# Altium PCB DM3370.PcbDoc (part 6 of 9) (continued)
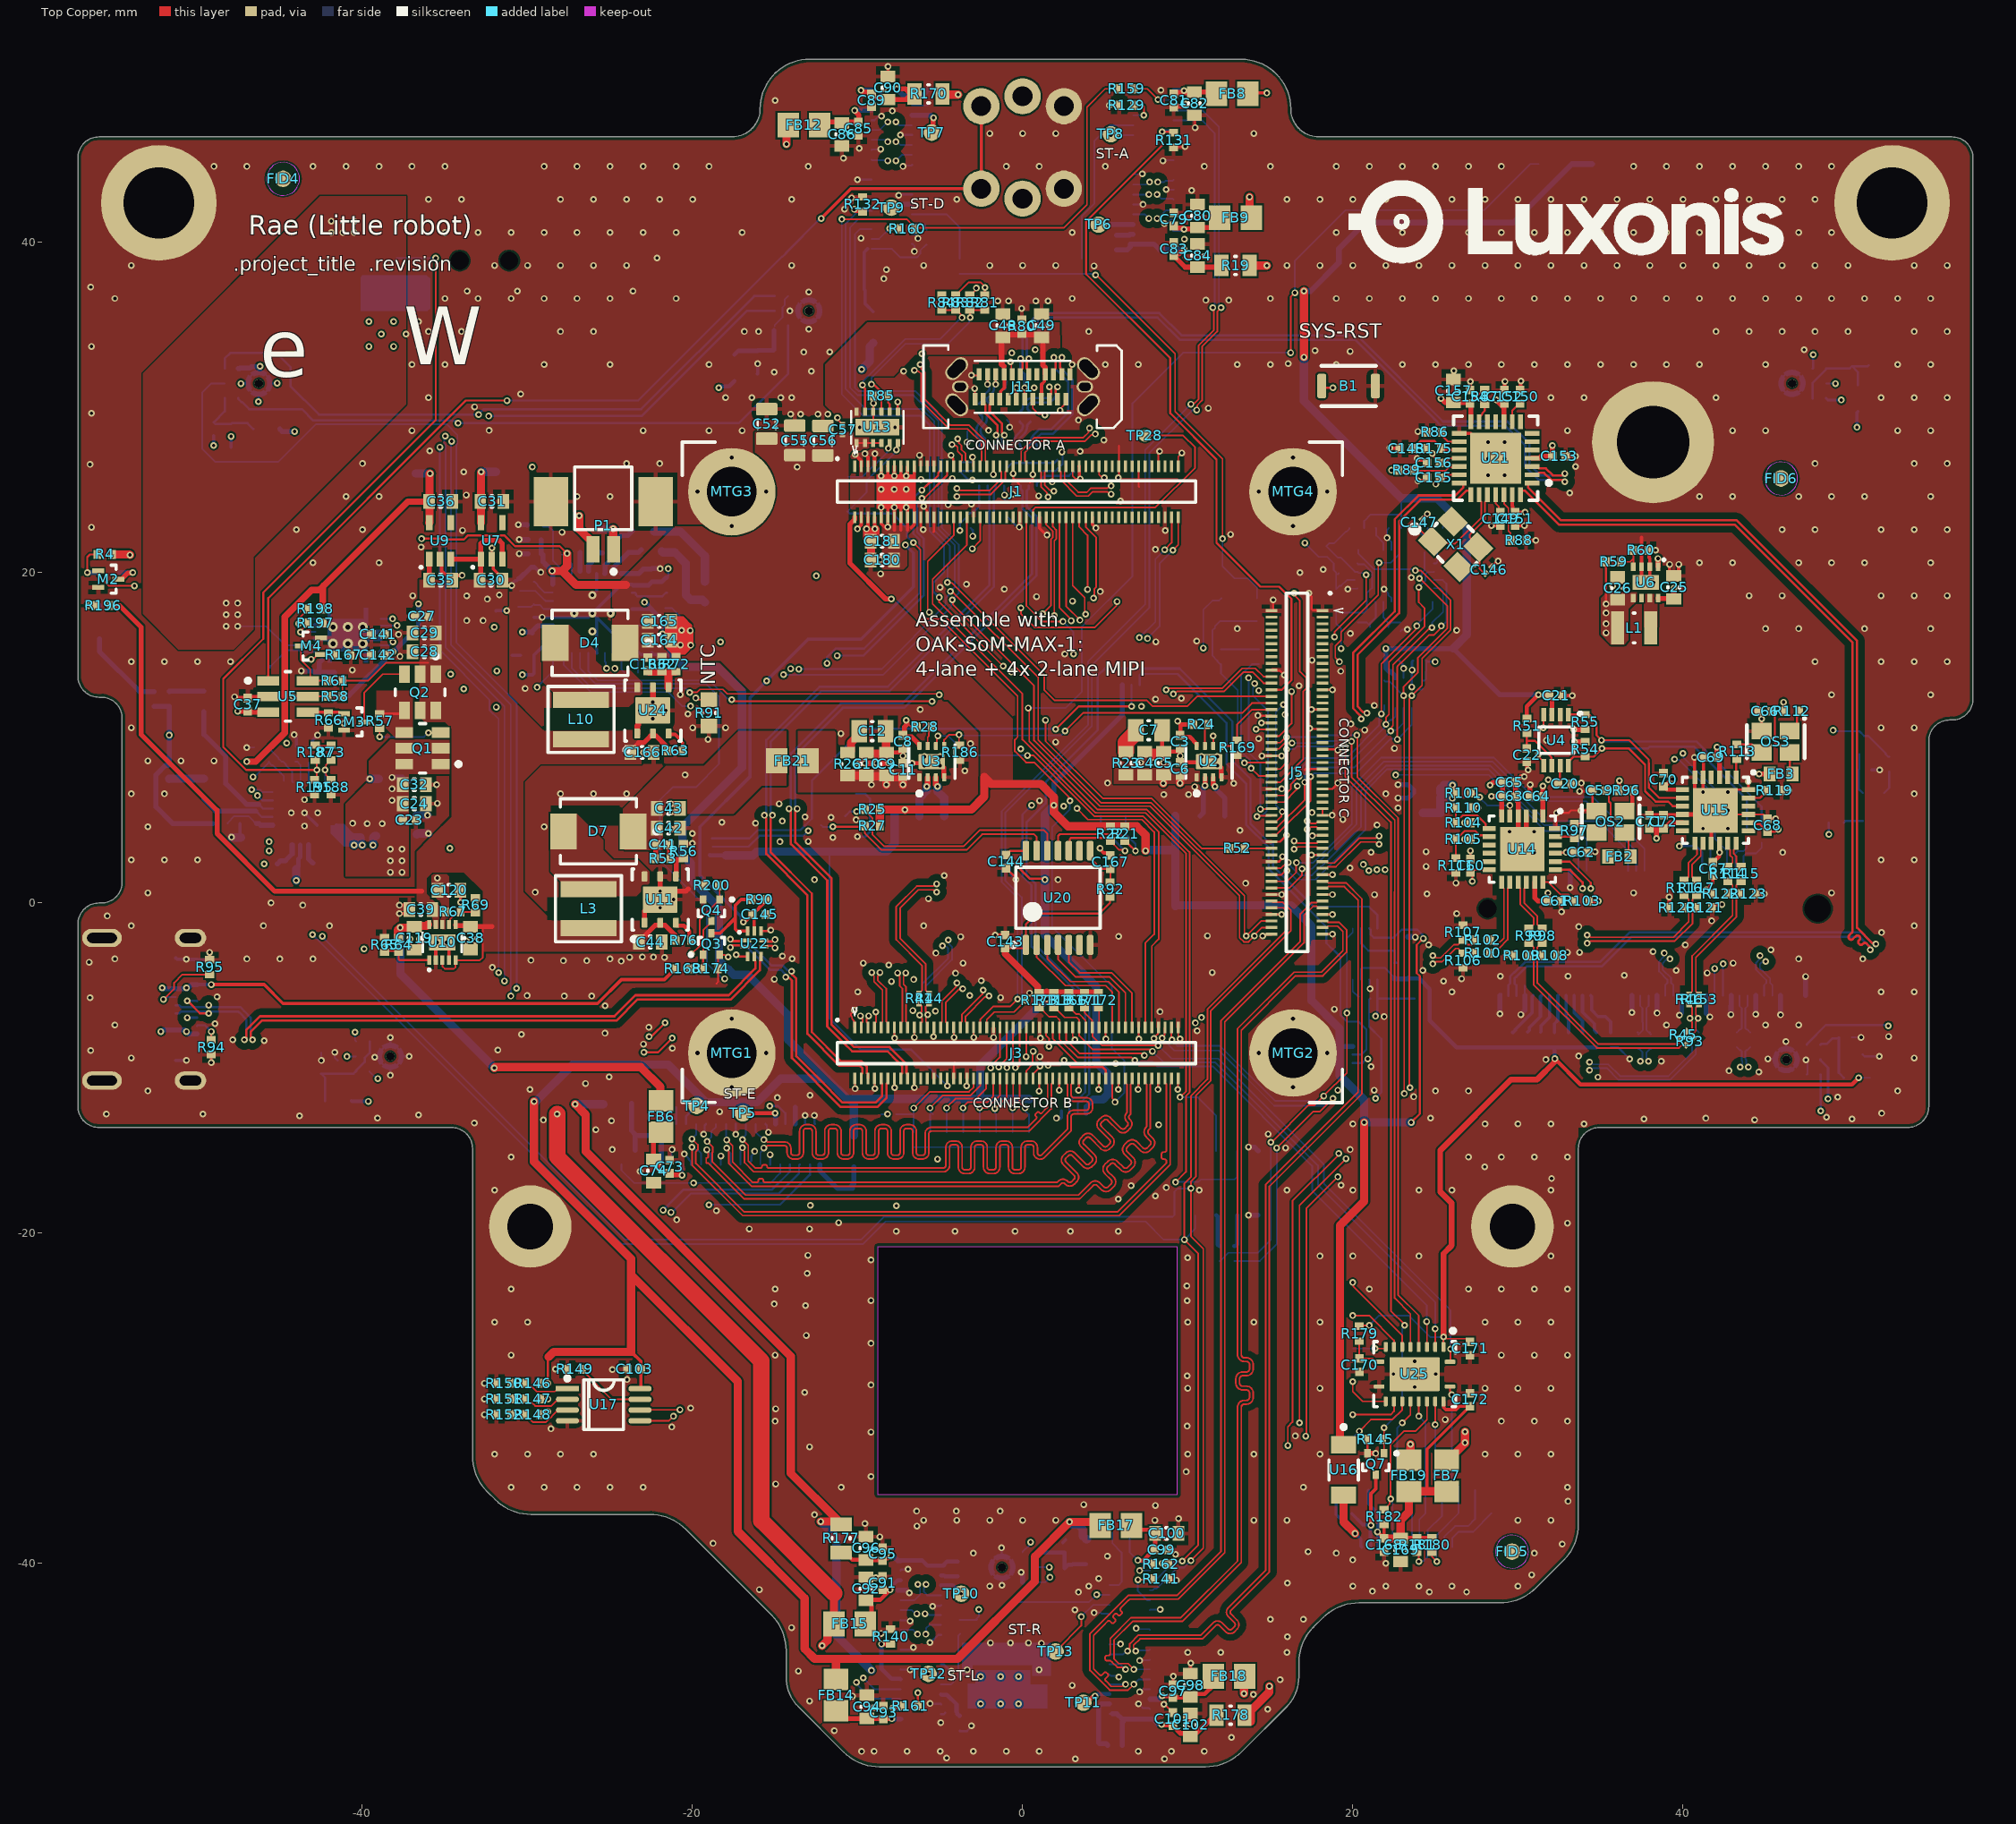
[diagram p0: Top Copper view]
## Nets (pads, with @x,y where several pads share a name; then routed paths per layer and width w, separated by ;. In a path a pad name is that pad's centre, name@x,y a point inside that pad or via, vN(x,y) a via of type N, cw(c..) or ccw(c..) an arc to the next point about the centre after c; other vN are vias at no path point) (continued)
  Bottom Copper w0.101: v1(-20.025,-14.8) -19.947,-14.8 -19.735,-15.012 -19.636,-15.012 -19.482,-15.165 J13.25@-19.482,-15.85
MIPI_RX0_D1_N: J3.90 J13.22 | length 39.2
  Top Copper w0.101: v1(-19.105,-14.458) -18.768,-14.794 -18.768,-15.1 -18.804,-15.136 -18.804,-15.676 -16.781,-17.7 3.375,-17.7 3.402,-17.673 4.108,-16.967 cw(c4.398,-17.257) 4.651,-16.934 4.655,-16.934 4.688,-16.966 ; 4.689,-16.967 4.929,-17.208 ccw(c5.058,-17.079) 5.187,-17.208 5.36,-17.036 ccw(c5.23,-16.907) 5.36,-16.778 4.996,-16.414 cw(c5.286,-16.124) 4.996,-15.833 5.168,-15.661 cw(c5.458,-15.952) 5.749,-15.661 6.112,-16.025 ccw(c6.241,-15.896) 6.37,-16.025 6.542,-15.853 ccw(c6.413,-15.724) 6.542,-15.595 6.179,-15.231 cw(c6.469,-14.941) 6.179,-14.65 6.351,-14.478 cw(c6.641,-14.769) 6.931,-14.478 7.295,-14.842 ccw(c7.424,-14.713) 7.553,-14.842 7.725,-14.67 ccw(c7.596,-14.541) 7.725,-14.412 7.484,-14.171 cw(c7.775,-13.881) 7.484,-13.591 7.518,-13.557 7.518,-13.391 7.518,-10.987 7.432,-10.901 J3.90@7.432,-10.641
  Bottom Copper w0.101: v1(-19.105,-14.458) -19.105,-14.445 -18.861,-14.201 -18.861,-13.861 -18.575,-13.575 J13.22@-18.575,-13.4
MIPI_RX0_D1_P: J3.92 J13.23 | length 39.3
  Top Copper w0.101: v1(-19.124,-14.953) -19.124,-14.959 -19.124,-15.035 -19.032,-15.127 -19.032,-15.352 cw(c-19.133,-15.352) -19.133,-15.453 ccw(c-19.133,-15.484) -19.164,-15.484 -19.164,-15.727 ccw(c-19.133,-15.727) -19.133,-15.757 -19.084,-15.757 cw(c-19.084,-15.858) -19.031,-15.772 ; -19.031,-15.772 -18.98,-15.823 -16.875,-17.928 3.469,-17.928 3.563,-17.834 4.269,-17.128 cw(c4.398,-17.257) 4.528,-17.129 4.768,-17.369 ccw(c5.058,-17.079) 5.349,-17.369 5.521,-17.197 ccw(c5.23,-16.907) 5.521,-16.616 5.157,-16.253 cw(c5.286,-16.124) 5.157,-15.995 5.329,-15.822 cw(c5.458,-15.952) 5.587,-15.822 5.951,-16.186 ccw(c6.241,-15.896) 6.532,-16.186 6.704,-16.014 ccw(c6.413,-15.724) 6.704,-15.433 6.34,-15.07 cw(c6.469,-14.941) 6.34,-14.812 6.512,-14.64 cw(c6.641,-14.769) 6.77,-14.64 7.134,-15.003 ccw(c7.424,-14.713) 7.714,-15.003 7.886,-14.831 ccw(c7.596,-14.541) 7.886,-14.251 7.646,-14.01 cw(c7.775,-13.881) 7.646,-13.752 7.746,-13.651 7.746,-13.619 7.746,-10.987 7.832,-10.901 J3.92@7.832,-10.641
  Bottom Copper w0.101: v1(-19.124,-14.953) -19.124,-14.972 -18.882,-15.213 J13.23@-18.882,-15.85
MIPI_RX1_C_N: J3.72
MIPI_RX1_C_P: J3.74
MIPI_RX1_D0_N: J3.66 J13.16 | length 39.2
  Top Copper w0.101: v1(-16.975,-14.342) -16.968,-14.342 -16.619,-14.69 -16.619,-15.633 -16.187,-16.065 -15.935,-16.065 -15.885,-16.065 ccw(c-15.885,-15.964) -15.784,-15.964 cw(c-15.693,-15.964) -15.693,-15.873 -15.571,-15.873 cw(c-15.571,-15.964) -15.48,-15.964 ccw(c-15.379,-15.964) -15.379,-16.065 -15.01,-16.065 -4.972,-16.065 -4.808,-16.065 ccw(c-4.808,-15.905) -4.648,-15.905 -4.648,-14.815 cw(c-4.261,-14.815) -4.261,-14.428 -4.048,-14.428 cw(c-4.048,-14.815) -3.66,-14.815 -3.66,-16.011 ccw(c-3.5,-16.011) -3.5,-16.171 -3.287,-16.171 ccw(c-3.287,-16.011) -3.128,-16.011 -3.128,-14.815 cw(c-2.74,-14.815) -2.74,-14.428 -2.527,-14.428 cw(c-2.527,-14.815) -2.14,-14.815 -2.14,-16.011 ccw(c-1.98,-16.011) -1.98,-16.171 -1.767,-16.171 ccw(c-1.767,-16.011) -1.607,-16.011 -1.607,-14.815 cw(c-1.22,-14.815) -1.22,-14.428 -1.007,-14.428 cw(c-1.007,-14.815) -0.619,-14.815 -0.619,-16.011 ccw(c-0.46,-16.011) -0.46,-16.171 -0.247,-16.171 ccw(c-0.247,-16.011) -0.087,-16.011 -0.087,-14.815 cw(c0.301,-14.815) 0.301,-14.428 0.514,-14.428 cw(c0.514,-14.815) 0.901,-14.815 0.901,-15.143 ccw(c1.061,-15.143) 1.174,-15.256 1.759,-14.67 2.718,-13.712 2.718,-13.629 2.718,-12.95 cw(c3.106,-12.95) 3.106,-12.562 3.861,-12.562 ccw(c3.861,-12.403) 4.02,-12.403 4.02,-12.19 ccw(c3.861,-12.19) 3.861,-12.03 3.106,-12.03 cw(c3.106,-11.643) 2.718,-11.643 2.718,-11.478 2.718,-10.987 2.632,-10.901 J3.66@2.632,-10.641
  Bottom Copper w0.101: v1(-16.975,-14.342) -16.975,-14.259 -16.775,-14.059 J13.16@-16.775,-13.4
MIPI_RX1_D0_P: J3.68 J13.17 | length 39.2
  Top Copper w0.101: v1(-16.975,-14.837) -16.975,-14.92 -16.847,-15.047 -16.847,-15.727 -16.282,-16.293 -4.972,-16.293 -4.808,-16.293 ccw(c-4.808,-15.905) -4.42,-15.905 -4.42,-14.815 cw(c-4.261,-14.815) -4.261,-14.656 -4.048,-14.656 cw(c-4.048,-14.815) -3.888,-14.815 -3.888,-16.011 ccw(c-3.5,-16.011) -3.5,-16.399 -3.287,-16.399 ccw(c-3.287,-16.011) -2.9,-16.011 -2.9,-14.815 cw(c-2.74,-14.815) -2.74,-14.656 -2.527,-14.656 cw(c-2.527,-14.815) -2.368,-14.815 -2.368,-16.011 ccw(c-1.98,-16.011) -1.98,-16.399 -1.767,-16.399 ccw(c-1.767,-16.011) -1.379,-16.011 -1.379,-14.815 cw(c-1.22,-14.815) -1.22,-14.656 -1.007,-14.656 cw(c-1.007,-14.815) -0.847,-14.815 -0.847,-16.011 ccw(c-0.46,-16.011) -0.46,-16.399 -0.247,-16.399 ccw(c-0.247,-16.011) 0.141,-16.011 0.141,-14.815 cw(c0.301,-14.815) 0.301,-14.656 0.514,-14.656 cw(c0.514,-14.815) 0.673,-14.815 0.673,-15.143 ccw(c1.061,-15.143) 1.336,-15.416 1.759,-14.993 2.946,-13.806 2.946,-13.629 2.946,-12.95 cw(c3.106,-12.95) 3.106,-12.79 3.861,-12.79 ccw(c3.861,-12.403) 4.248,-12.403 4.248,-12.19 ccw(c3.861,-12.19) 3.861,-11.802 3.106,-11.802 cw(c3.106,-11.643) 2.946,-11.643 2.946,-11.478 2.946,-10.987 3.032,-10.901 J3.68@3.032,-10.641
  Bottom Copper w0.101: J13.17@-17.082,-15.85 -17.082,-15.027 -16.975,-14.92 v1(-16.975,-14.837)
MIPI_RX1_D1_N: J3.60 J13.14 | length 39.3
  Top Copper w0.101: v1(-15.675,-14.35) -15.597,-14.35 -15.463,-14.484 -15.077,-14.484 -14.424,-14.484 cw(c-14.424,-14.871) -14.036,-14.871 -14.036,-15.132 ccw(c-13.877,-15.132) -13.877,-15.292 -13.664,-15.292 ccw(c-13.664,-15.132) -13.504,-15.132 -13.504,-13.828 cw(c-13.116,-13.828) -13.116,-13.441 -12.903,-13.441 cw(c-12.903,-13.828) -12.516,-13.828 -12.516,-15.132 ccw(c-12.356,-15.132) -12.356,-15.292 -12.143,-15.292 ccw(c-12.143,-15.132) -11.984,-15.132 -11.984,-13.828 cw(c-11.596,-13.828) -11.596,-13.441 -11.383,-13.441 cw(c-11.383,-13.828) -10.995,-13.828 -10.995,-15.132 ccw(c-10.836,-15.132) -10.836,-15.292 -10.623,-15.292 ccw(c-10.623,-15.132) -10.463,-15.132 -10.463,-13.828 cw(c-10.076,-13.828) -10.076,-13.441 -9.863,-13.441 cw(c-9.863,-13.828) -9.475,-13.828 -9.475,-15.132 ccw(c-9.315,-15.132) -9.315,-15.292 -9.102,-15.292 ccw(c-9.102,-15.132) -8.943,-15.132 -8.943,-13.828 cw(c-8.555,-13.828) -8.555,-13.441 -8.342,-13.441 cw(c-8.342,-13.828) -7.955,-13.828 -7.955,-15.132 ccw(c-7.795,-15.132) -7.795,-15.292 -7.582,-15.292 ccw(c-7.582,-15.132) -7.422,-15.132 -7.422,-13.828 cw(c-7.035,-13.828) -7.035,-13.441 -6.822,-13.441 cw(c-6.822,-13.828) -6.434,-13.828 -6.434,-15.132 ccw(c-6.275,-15.132) -6.275,-15.292 -6.062,-15.292 ccw(c-6.062,-15.132) -5.902,-15.132 -5.902,-13.988 cw(c-5.514,-13.988) -5.514,-13.6 -5.35,-13.6 0.3,-13.6 0.785,-13.115 0.82,-13.08 ccw(c0.749,-13.008) 0.82,-12.937 0.797,-12.914 cw(c0.861,-12.849) 0.797,-12.785 0.883,-12.699 cw(c0.947,-12.763) 1.012,-12.699 1.035,-12.722 ccw(c1.106,-12.651) 1.178,-12.722 1.474,-12.426 1.518,-12.382 1.518,-10.987 1.432,-10.901 J3.60@1.432,-10.641
  Bottom Copper w0.101: J13.14@-16.175,-13.4 -16.175,-13.877 -15.675,-14.377 v1@-15.675,-14.49
MIPI_RX1_D1_P: J3.62 J13.13 | length 39.2
  Top Copper w0.101: v1(-15.675,-14.845) -15.625,-14.795 -15.547,-14.795 -15.463,-14.712 -15.077,-14.712 -14.424,-14.712 cw(c-14.424,-14.871) -14.264,-14.871 -14.264,-15.132 ccw(c-13.877,-15.132) -13.877,-15.52 -13.664,-15.52 ccw(c-13.664,-15.132) -13.276,-15.132 -13.276,-13.828 cw(c-13.116,-13.828) -13.116,-13.669 -12.903,-13.669 cw(c-12.903,-13.828) -12.744,-13.828 -12.744,-15.132 ccw(c-12.356,-15.132) -12.356,-15.52 -12.143,-15.52 ccw(c-12.143,-15.132) -11.756,-15.132 -11.756,-13.828 cw(c-11.596,-13.828) -11.596,-13.669 -11.383,-13.669 cw(c-11.383,-13.828) -11.223,-13.828 -11.223,-15.132 ccw(c-10.836,-15.132) -10.836,-15.52 -10.623,-15.52 ccw(c-10.623,-15.132) -10.235,-15.132 -10.235,-13.828 cw(c-10.076,-13.828) -10.076,-13.669 -9.863,-13.669 cw(c-9.863,-13.828) -9.703,-13.828 -9.703,-15.132 ccw(c-9.315,-15.132) -9.315,-15.52 -9.102,-15.52 ccw(c-9.102,-15.132) -8.715,-15.132 -8.715,-13.828 cw(c-8.555,-13.828) -8.555,-13.669 -8.342,-13.669 cw(c-8.342,-13.828) -8.183,-13.828 -8.183,-15.132 ccw(c-7.795,-15.132) -7.795,-15.52 -7.582,-15.52 ccw(c-7.582,-15.132) -7.194,-15.132 -7.194,-13.828 cw(c-7.035,-13.828) -7.035,-13.669 -6.822,-13.669 cw(c-6.822,-13.828) -6.662,-13.828 -6.662,-15.132 ccw(c-6.275,-15.132) -6.275,-15.52 -6.062,-15.52 ccw(c-6.062,-15.132) -5.674,-15.132 -5.674,-13.988 cw(c-5.514,-13.988) -5.514,-13.828 -5.35,-13.828 0.394,-13.828 1.746,-12.476 1.746,-10.987 1.832,-10.901 J3.62@1.832,-10.641
  Bottom Copper w0.101: J13.13@-15.882,-15.85 -15.882,-15.135 -15.675,-14.928 v1(-15.675,-14.845)
MIPI_RX2_C_N: J5.79 J16.20 | length 91.3
  Top Copper w0.101: J5.79@18.172,2.099 18.432,2.099 18.518,2.185 18.985,2.185 20.484,3.684 21.388,3.684 21.522,3.55 v1(21.6,3.55)
  PWR w0.101: v1(-5.867,-44.3) -5.867,-44.293 -6.215,-43.945 -7.237,-43.945 -7.938,-43.244 -7.938,-42.612 -11.366,-39.184 -11.369,-39.184 -13.85,-36.702 -13.85,-11.669 -12.75,-10.569 -12.75,-2.469 -6.342,3.939 11.766,3.939 13.916,6.089 19.661,6.089 20.399,5.351 20.399,4.199 20.93,3.667 21.4,3.667 21.517,3.55 v1(21.6,3.55)
  Bottom Copper w0.101: v1(-5.867,-44.3) -5.847,-44.279 -5.847,-43.945 -5.644,-43.742 J16.20@-4.938,-43.742
MIPI_RX2_C_P: J5.77 J16.19 | length 91.3
  Top Copper w0.101: J5.77@18.172,2.499 18.432,2.499 18.518,2.413 18.891,2.413 20.389,3.912 21.388,3.912 21.522,4.045 v1(21.6,4.045)
  PWR w0.101: v1(-6.363,-44.3) -6.445,-44.3 -6.539,-44.206 -7.346,-44.206 -8.199,-43.352 -8.199,-42.72 -11.474,-39.445 -11.477,-39.445 -14.111,-36.811 -14.111,-11.561 -13.011,-10.461 -13.011,-2.361 -6.45,4.2 11.658,4.2 13.808,6.35 19.769,6.35 20.66,5.459 20.66,4.307 21.038,3.928 21.4,3.928 21.517,4.045 v1(21.6,4.045)
  Bottom Copper w0.101: J16.19@-7.387,-44.035 -6.627,-44.035 v1(-6.363,-44.3)
MIPI_RX2_D0_N: J5.67 J16.26 | length 90.9
  Top Copper w0.101: v1(17.25,4.455) 17.328,4.455 17.462,4.588 17.573,4.588 17.576,4.585 17.826,4.585 17.912,4.499 J5.67@18.172,4.499
  PWR w0.101: v1(-5.843,-41.28) -5.843,-41.273 -5.857,-41.259 -6.2,-40.915 -6.287,-40.915 -6.287,-40.644 -6.566,-40.644 -6.566,-40.915 -6.641,-40.915 -7.501,-40.915 -11.8,-36.617 -11.8,-33.445 -11.8,-32.146 cw(c-11.617,-32.146) -11.617,-31.963 -11.392,-31.963 ccw(c-11.392,-31.52) -10.949,-31.52 -10.949,-31.276 ccw(c-11.392,-31.276) -11.392,-30.833 -12.249,-30.833 cw(c-12.249,-30.65) -12.431,-30.65 -12.431,-30.407 cw(c-12.249,-30.407) -12.249,-30.224 -11.392,-30.224 ccw(c-11.392,-29.781) -10.949,-29.781 -10.949,-29.537 ccw(c-11.392,-29.537) -11.392,-29.094 -12.249,-29.094 cw(c-12.249,-28.911) -12.431,-28.911 -12.431,-28.668 cw(c-12.249,-28.668) -12.249,-28.485 -11.392,-28.485 ccw(c-11.392,-28.042) -10.949,-28.042 -10.949,-27.799 ccw(c-11.392,-27.799) -11.392,-27.355 -12.249,-27.355 cw(c-12.249,-27.173) -12.431,-27.173 -12.431,-26.929 cw(c-12.249,-26.929) -12.249,-26.747 -11.392,-26.747 ccw(c-11.392,-26.303) -10.949,-26.303 -10.949,-26.06 ccw(c-11.392,-26.06) -11.392,-25.616 -12.249,-25.616 cw(c-12.249,-25.434) -12.431,-25.434 -12.431,-25.19 cw(c-12.249,-25.19) -12.249,-25.008 -11.392,-25.008 ccw(c-11.392,-24.564) -10.949,-24.564 -10.949,-24.321 ccw(c-11.392,-24.321) -11.392,-23.877 -12.249,-23.877 cw(c-12.249,-23.695) -12.431,-23.695 -12.431,-23.452 cw(c-12.249,-23.452) -12.249,-23.269 -11.392,-23.269 ccw(c-11.392,-22.825) -10.949,-22.825 -10.949,-22.582 ccw(c-11.392,-22.582) -11.392,-22.139 -11.617,-22.139 cw(c-11.617,-21.956) -11.8,-21.956 -11.8,-21.775 -11.8,-2.969 -5.792,3.039 3.539,3.039 4.339,2.239 12.452,2.239 14.785,4.572 17.05,4.572 17.167,4.455 v1(17.25,4.455)
  Bottom Copper w0.101: v1(-5.843,-41.28) -5.843,-41.358 -5.977,-41.492 -5.977,-41.745 -5.78,-41.942 J16.26@-4.938,-41.942
MIPI_RX2_D0_P: J5.65 J16.25 | length 91
  Top Copper w0.101: v1(17.25,4.95) 17.328,4.95 17.462,4.816 17.667,4.816 17.67,4.813 17.757,4.813 17.803,4.86 18.132,4.86 J5.65@18.172,4.899
  PWR w0.101: v1(-6.338,-41.28) -6.421,-41.28 -6.524,-41.176 -7.609,-41.176 -12.061,-36.725 -12.061,-33.445 -12.061,-32.146 cw(c-11.617,-32.146) -11.617,-31.702 -11.392,-31.702 ccw(c-11.392,-31.52) -11.21,-31.52 -11.21,-31.276 ccw(c-11.392,-31.276) -11.392,-31.094 -12.249,-31.094 cw(c-12.249,-30.65) -12.692,-30.65 -12.692,-30.407 cw(c-12.249,-30.407) -12.249,-29.963 -11.392,-29.963 ccw(c-11.392,-29.781) -11.21,-29.781 -11.21,-29.537 ccw(c-11.392,-29.537) -11.392,-29.355 -12.249,-29.355 cw(c-12.249,-28.911) -12.692,-28.911 -12.692,-28.668 cw(c-12.249,-28.668) -12.249,-28.224 -11.392,-28.224 ccw(c-11.392,-28.042) -11.21,-28.042 -11.21,-27.799 ccw(c-11.392,-27.799) -11.392,-27.616 -12.249,-27.616 cw(c-12.249,-27.173) -12.692,-27.173 -12.692,-26.929 cw(c-12.249,-26.929) -12.249,-26.486 -11.392,-26.486 ccw(c-11.392,-26.303) -11.21,-26.303 -11.21,-26.06 ccw(c-11.392,-26.06) -11.392,-25.877 -12.249,-25.877 cw(c-12.249,-25.434) -12.692,-25.434 -12.692,-25.19 cw(c-12.249,-25.19) -12.249,-24.747 -11.392,-24.747 ccw(c-11.392,-24.564) -11.21,-24.564 -11.21,-24.321 ccw(c-11.392,-24.321) -11.392,-24.138 -12.249,-24.138 cw(c-12.249,-23.695) -12.692,-23.695 -12.692,-23.452 cw(c-12.249,-23.452) -12.249,-23.008 -11.392,-23.008 ccw(c-11.392,-22.825) -11.21,-22.825 -11.21,-22.582 ccw(c-11.392,-22.582) -11.392,-22.4 -11.617,-22.4 cw(c-11.617,-21.956) -12.061,-21.956 -12.061,-21.775 -12.061,-2.861 -5.9,3.3 3.647,3.3 4.447,2.5 12.344,2.5 14.677,4.833 17.05,4.833 17.167,4.95 v1(17.25,4.95)
  Bottom Copper w0.101: J16.25@-7.387,-42.235 -6.532,-42.235 -6.205,-41.907 -6.205,-41.492 -6.338,-41.358 v1(-6.338,-41.28)
MIPI_RX2_D1_N: J5.73 J16.22 | length 90.9
  Top Copper w0.101: v1(16.45,3.255) 16.528,3.255 16.662,3.388 17.329,3.388 17.332,3.385 17.826,3.385 17.912,3.299 J5.73@18.172,3.299
  PWR w0.101: v1(-5.915,-43.062) -5.915,-42.979 -6.033,-42.862 -6.033,-42.476 -5.739,-42.182 -5.295,-42.182 -4.751,-41.638 -4.751,-41.634 -4.751,-41.229 cw(c-4.645,-41.229) -4.645,-41.123 -4.529,-41.123 ccw(c-4.529,-41.016) -4.422,-41.016 -4.422,-40.875 ccw(c-4.529,-40.875) -4.529,-40.768 -4.645,-40.768 cw(c-4.645,-40.662) -4.751,-40.662 -4.751,-40.453 -4.751,-40.392 -6.174,-38.969 -7.002,-38.969 -9.745,-36.226 -9.745,-20.678 -9.745,-19.333 cw(c-9.552,-19.333) -9.552,-19.14 -8.597,-19.14 ccw(c-8.597,-18.687) -8.144,-18.687 -8.144,-18.591 ccw(c-8.597,-18.591) -8.597,-18.137 -10.038,-18.137 cw(c-10.038,-17.944) -10.231,-17.944 -10.231,-17.848 cw(c-10.038,-17.848) -10.038,-17.656 -8.597,-17.656 ccw(c-8.597,-17.202) -8.144,-17.202 -8.144,-17.106 ccw(c-8.597,-17.106) -8.597,-16.652 -10.038,-16.652 cw(c-10.038,-16.46) -10.231,-16.46 -10.231,-16.363 cw(c-10.038,-16.363) -10.038,-16.171 -8.597,-16.171 ccw(c-8.597,-15.717) -8.144,-15.717 -8.144,-15.621 ccw(c-8.597,-15.621) -8.597,-15.167 -10.038,-15.167 cw(c-10.038,-14.975) -10.231,-14.975 -10.231,-14.879 cw(c-10.038,-14.879) -10.038,-14.686 -8.597,-14.686 ccw(c-8.597,-14.232) -8.144,-14.232 -8.144,-14.136 ccw(c-8.597,-14.136) -8.597,-13.683 -9.552,-13.683 cw(c-9.552,-13.49) -9.745,-13.49 -9.745,-13.309 -9.745,-12.59 -10.678,-11.657 -10.678,-3.378 -5.204,2.096 2.435,2.096 3.242,1.289 12.698,1.289 14.781,3.372 16.25,3.372 16.367,3.255 v1(16.45,3.255)
  Bottom Copper w0.101: v1(-5.915,-43.062) -5.857,-43.12 -5.666,-43.12 -5.644,-43.142 J16.22@-4.938,-43.142
MIPI_RX2_D1_P: J5.71 J16.23 | length 90.9
  Top Copper w0.101: v1(16.45,3.75) 16.528,3.75 16.662,3.616 17.423,3.616 17.427,3.613 17.826,3.613 17.912,3.699 J5.71@18.172,3.699
  PWR w0.101: v1(-6.411,-43.062) -6.411,-42.979 -6.294,-42.862 -6.294,-42.367 -5.847,-41.921 -5.404,-41.921 -5.012,-41.53 -5.012,-40.5 -6.283,-39.23 -7.11,-39.23 -10.006,-36.334 -10.006,-20.678 -10.006,-19.333 cw(c-9.552,-19.333) -9.552,-18.879 -8.597,-18.879 ccw(c-8.597,-18.687) -8.405,-18.687 -8.405,-18.591 ccw(c-8.597,-18.591) -8.597,-18.398 -10.038,-18.398 cw(c-10.038,-17.944) -10.492,-17.944 -10.492,-17.848 cw(c-10.038,-17.848) -10.038,-17.395 -8.597,-17.395 ccw(c-8.597,-17.202) -8.405,-17.202 -8.405,-17.106 ccw(c-8.597,-17.106) -8.597,-16.913 -10.038,-16.913 cw(c-10.038,-16.46) -10.492,-16.46 -10.492,-16.363 cw(c-10.038,-16.363) -10.038,-15.91 -8.597,-15.91 ccw(c-8.597,-15.717) -8.405,-15.717 -8.405,-15.621 ccw(c-8.597,-15.621) -8.597,-15.428 -10.038,-15.428 cw(c-10.038,-14.975) -10.492,-14.975 -10.492,-14.879 cw(c-10.038,-14.879) -10.038,-14.425 -8.597,-14.425 ccw(c-8.597,-14.232) -8.405,-14.232 -8.405,-14.136 ccw(c-8.597,-14.136) -8.597,-13.944 -9.552,-13.944 cw(c-9.552,-13.49) -10.006,-13.49 -10.006,-13.309 -10.006,-12.699 -10.939,-11.765 -10.939,-3.27 -5.312,2.357 2.543,2.357 3.35,1.55 12.59,1.55 14.673,3.633 16.25,3.633 16.367,3.75 v1(16.45,3.75)
  Bottom Copper w0.101: J16.23@-7.387,-42.85 -6.701,-42.85 -6.489,-43.062 v1(-6.411,-43.062)
MIPI_RX3_C_N: J5.85 J17.20 | length 58.9
  Top Copper w0.101: v1(6.361,-45.328) 6.361,-45.249 6.495,-45.116 6.495,-44.878 7.023,-44.35 10.81,-44.35 10.888,-44.272 11.542,-43.618 ; 11.542,-43.618 cw(c11.816,-43.892) 12.052,-43.585 12.056,-43.585 12.089,-43.617 ; 12.09,-43.618 12.458,-43.986 ccw(c12.571,-43.873) 12.683,-43.986 12.834,-43.835 ccw(c12.721,-43.722) 12.834,-43.61 12.466,-43.242 cw(c12.74,-42.968) 12.466,-42.693 13.65,-41.509 14.722,-40.438 14.722,-17.078 20.33,-11.47 20.33,0.148 19.493,0.985 18.518,0.985 18.432,0.899 J5.85@18.172,0.899
  Bottom Copper w0.101: J17.20@5.263,-45.528 6.078,-45.528 6.278,-45.328 v1(6.361,-45.328)
MIPI_RX3_C_P: J5.83 J17.19 | length 59
  Top Copper w0.101: v1(6.856,-45.328) 6.856,-45.249 6.723,-45.116 6.723,-44.973 7.117,-44.578 10.904,-44.578 11.049,-44.433 11.703,-43.779 cw(c11.816,-43.892) 11.929,-43.78 ; 11.929,-43.78 12.296,-44.147 ccw(c12.571,-43.873) 12.845,-44.147 12.995,-43.997 ccw(c12.721,-43.722) 12.995,-43.448 12.627,-43.08 cw(c12.74,-42.968) 12.627,-42.855 13.812,-41.67 14.95,-40.532 14.95,-17.172 20.558,-11.565 20.558,0.242 19.587,1.213 18.518,1.213 18.432,1.299 J5.83@18.172,1.299
  Bottom Copper w0.101: v1(6.856,-45.328) 6.903,-45.281 7.666,-45.281 J17.19@7.713,-45.235
MIPI_RX3_D0_N: J5.91 J17.26 | length 58.9
  Top Copper w0.101: 4.949,-46.627 cw(c5.013,-46.692) 5.078,-46.627 5.164,-46.713 cw(c5.099,-46.777) 5.164,-46.842 5.03,-46.976 ccw(c5.101,-47.047) 5.03,-47.118 5.245,-47.333 5.28,-47.369 5.374,-47.462 6.03,-47.462 6.157,-47.335 v1(6.24,-47.335) ; 4.949,-46.627 4.815,-46.761 cw(c4.744,-46.689) 4.672,-46.761 4.345,-46.433 4.309,-46.397 4.309,-44.365 4.906,-43.769 5.156,-43.518 cw(c5.227,-43.59) 5.299,-43.518 5.398,-43.617 ccw(c5.462,-43.553) 5.526,-43.617 5.612,-43.531 ccw(c5.548,-43.467) 5.612,-43.403 5.506,-43.297 cw(c5.571,-43.232) 5.506,-43.168 5.592,-43.082 cw(c5.657,-43.146) 5.721,-43.082 5.786,-43.147 ccw(c5.851,-43.083) 5.915,-43.147 6.001,-43.061 ccw(c5.937,-42.997) 6.001,-42.933 5.943,-42.874 cw(c6.014,-42.803) 5.943,-42.731 6.435,-42.24 6.496,-42.178 9.432,-42.178 12.25,-39.36 12.25,-7.222 17.051,-2.421 17.051,-0.766 17.603,-0.215 17.826,-0.215 17.912,-0.301 J5.91@18.172,-0.301
  Bottom Copper w0.101: J17.26@5.263,-47.328 5.266,-47.331 6.236,-47.331 v1(6.24,-47.335)
MIPI_RX3_D0_P: J5.89 J17.25 | length 58.9
  Top Copper w0.101: v1(6.735,-47.335) 6.735,-47.342 6.387,-47.69 5.279,-47.69 4.081,-46.492 4.081,-44.271 6.402,-41.95 9.337,-41.95 12.022,-39.265 12.022,-7.128 16.823,-2.327 16.823,-0.672 17.508,0.013 17.826,0.013 17.912,0.099 J5.89@18.172,0.099
  Bottom Copper w0.101: v1(6.735,-47.335) 7.035,-47.035 J17.25@7.713,-47.035
MIPI_RX3_D1_N: J5.97 J17.22 | length 58.9
  Top Copper w0.101: v1(6.24,-46.435) 6.157,-46.435 6.03,-46.308 5.738,-46.308 5.424,-45.994 5.373,-45.943 ccw(c5.263,-46.053) 5.263,-45.898 5.1,-45.898 cw(c5.1,-45.807) 5.009,-45.807 5.009,-45.685 cw(c5.1,-45.685) 5.1,-45.594 5.208,-45.594 ccw(c5.208,-45.493) 5.309,-45.493 5.309,-45.032 5.309,-44.563 6.572,-43.3 9.587,-43.3 13.022,-39.866 13.022,-31.16 13.022,-30.558 cw(c13.44,-30.558) 13.44,-30.14 13.56,-30.14 ccw(c13.56,-29.95) 13.75,-29.95 13.75,-29.696 ccw(c13.56,-29.696) 13.56,-29.506 13.338,-29.506 cw(c13.338,-29.088) 12.92,-29.088 12.92,-28.835 cw(c13.338,-28.835) 13.338,-28.416 13.56,-28.416 ccw(c13.56,-28.226) 13.75,-28.226 13.75,-27.973 ccw(c13.56,-27.973) 13.56,-27.783 13.44,-27.783 cw(c13.44,-27.365) 13.022,-27.365 13.022,-27.2 13.022,-7.628 16.445,-4.205 18.1,-4.205 19.403,-2.901 19.403,-1.733 19.085,-1.415 18.518,-1.415 18.432,-1.501 J5.97@18.172,-1.501
  Bottom Copper w0.101: J17.22@5.263,-46.128 5.932,-46.128 v1(6.24,-46.435)
MIPI_RX3_D1_P: J5.95 J17.23 | length 58.9
  Top Copper w0.101: v1(6.735,-46.435) 6.735,-46.428 6.387,-46.08 5.832,-46.08 5.537,-45.785 5.537,-44.657 6.667,-43.528 9.682,-43.528 13.25,-39.96 13.25,-31.16 13.25,-30.558 cw(c13.44,-30.558) 13.44,-30.368 13.56,-30.368 ccw(c13.56,-29.95) 13.978,-29.95 13.978,-29.696 ccw(c13.56,-29.696) 13.56,-29.278 13.338,-29.278 cw(c13.338,-29.088) 13.148,-29.088 13.148,-28.835 cw(c13.338,-28.835) 13.338,-28.644 13.56,-28.644 ccw(c13.56,-28.226) 13.978,-28.226 13.978,-27.973 ccw(c13.56,-27.973) 13.56,-27.555 13.44,-27.555 cw(c13.44,-27.365) 13.25,-27.365 13.25,-27.2 13.25,-7.722 16.54,-4.433 18.194,-4.433 19.631,-2.996 19.631,-1.639 19.179,-1.187 18.518,-1.187 18.432,-1.101 J5.95@18.172,-1.101
  Bottom Copper w0.101: v1(6.735,-46.435) J17.23@7.713,-46.435
MIPI_RX4_C_N: J1.47 J15.20 | length 30
  Top Copper w0.101: v1(-3.975,24.605) -3.897,24.605 -3.763,24.738 -1.919,24.738 -1.054,25.603 -1.054,26.093 -0.968,26.179 J1.47@-0.968,26.439
  PWR w0.101: v1(-7.677,44.945) -7.677,44.952 -8.026,45.301 -8.32,45.301 -8.473,45.148 -8.861,45.148 -9.3,44.709 -9.3,33.131 -6.561,30.392 -6.561,28.342 -5.1,26.881 -5.1,25.139 -4.682,24.722 -4.175,24.722 -4.058,24.605 v1(-3.975,24.605)
  Bottom Copper w0.101: v1(-7.677,44.945) -7.323,45.3 J15.20@-6.7,45.3
MIPI_RX4_C_P: J1.45 J15.19 | length 29.9
  Top Copper w0.101: v1(-3.975,25.1) -3.897,25.1 -3.763,24.966 -2.013,24.966 -1.282,25.698 -1.282,26.093 -1.368,26.179 J1.45@-1.368,26.439
  PWR w0.101: v1(-8.173,44.945) -8.231,44.887 -8.753,44.887 -8.874,44.766 -9.039,44.601 -9.039,44.303 ccw(c-8.933,44.303) -8.933,44.196 -8.569,44.196 cw(c-8.569,44.09) -8.463,44.09 -8.463,43.948 cw(c-8.569,43.948) -8.569,43.842 -8.933,43.842 ccw(c-8.933,43.736) -9.039,43.736 -9.039,43.594 ccw(c-8.933,43.594) -8.933,43.488 -8.556,43.488 cw(c-8.556,43.381) -8.45,43.381 -8.45,43.239 cw(c-8.556,43.239) -8.556,43.133 -8.933,43.133 ccw(c-8.933,43.027) -9.039,43.027 -9.039,42.622 -9.039,33.239 -6.3,30.5 -6.3,28.45 -4.839,26.989 -4.839,25.247 -4.574,24.983 -4.175,24.983 -4.058,25.1 v1(-3.975,25.1)
  Bottom Copper w0.101: J15.19@-9.15,45.007 -9.119,44.976 -8.204,44.976 v1(-8.173,44.945)
MIPI_RX4_D0_N: J1.35 J15.26 | length 29.6
  Top Copper w0.101: v1(-3.925,28.1) -3.87,28.045 -3.87,27.856 -3.702,27.688 -3.702,27.449 -3.454,27.201 -3.454,26.785 -3.368,26.699 J1.35@-3.368,26.439
  PWR w0.101: v1(-7.677,47.296) -7.595,47.296 -7.5,47.202 -7.242,47.202 -7.192,47.202 ccw(c-7.192,47.323) -7.07,47.323 -7.07,47.36 cw(c-6.948,47.36) -6.948,47.482 -6.786,47.482 cw(c-6.786,47.36) -6.665,47.36 -6.665,47.323 ccw(c-6.543,47.323) -6.543,47.202 -6.481,47.202 -5.811,46.531 -5.275,45.995 -5.275,41.175 -5.275,40.994 ccw(c-5.115,40.994) -5.115,40.834 -4.571,40.834 cw(c-4.571,40.414) -4.15,40.414 -4.15,40.201 cw(c-4.571,40.201) -4.571,39.78 -5.451,39.78 ccw(c-5.451,39.62) -5.61,39.62 -5.61,39.408 ccw(c-5.451,39.408) -5.451,39.248 -4.571,39.248 cw(c-4.571,38.827) -4.15,38.827 -4.15,38.614 cw(c-4.571,38.614) -4.571,38.194 -5.115,38.194 ccw(c-5.115,38.034) -5.275,38.034 -5.275,37.14 -4.55,36.415 -4.55,33.125 -5.275,32.4 -5.275,29.284 -4.149,28.158 -3.983,28.158 v1(-3.925,28.1)
  Bottom Copper w0.101: v1(-7.677,47.296) -7.482,47.1 J15.26@-6.7,47.1
MIPI_RX4_D0_P: J1.33 J15.25 | length 29.5
  Top Copper w0.101: v1(-4.275,27.75) -4.22,27.694 -4.031,27.694 -3.93,27.593 -3.93,27.355 -3.682,27.107 -3.682,26.785 -3.768,26.699 J1.33@-3.768,26.439
  PWR w0.101: v1(-8.173,47.296) -8.173,47.289 -7.825,46.941 -6.589,46.941 -5.536,45.887 -5.536,41.175 -5.536,40.994 ccw(c-5.115,40.994) -5.115,40.573 -4.571,40.573 cw(c-4.571,40.414) -4.411,40.414 -4.411,40.201 cw(c-4.571,40.201) -4.571,40.041 -5.451,40.041 ccw(c-5.451,39.62) -5.871,39.62 -5.871,39.408 ccw(c-5.451,39.408) -5.451,38.987 -4.571,38.987 cw(c-4.571,38.827) -4.411,38.827 -4.411,38.614 cw(c-4.571,38.614) -4.571,38.455 -5.115,38.455 ccw(c-5.115,38.034) -5.536,38.034 -5.536,37.14 -5.536,37.032 -4.811,36.307 -4.811,33.233 -5.536,32.508 -5.536,29.176 -4.334,27.974 -4.334,27.808 v1(-4.275,27.75)
  Bottom Copper w0.101: J15.25@-9.15,46.807 -8.661,46.807 v1(-8.173,47.296)
MIPI_RX4_D1_N: J1.41 J15.22 | length 30.8
  Top Copper w0.101: v1(-6.2,32.6) -6.144,32.545 -6.144,32.356 -5.911,32.123 -5.911,30.478 -4.361,28.928 -3.231,28.928 -2.254,27.951 -2.254,26.785 -2.168,26.699 J1.41@-2.168,26.439
  PWR w0.101: v1(-7.677,46.095) -7.595,46.095 -7.5,46.001 -7.101,46.001 -7.065,45.965 ccw(c-6.979,46.051) -6.893,45.965 cw(c-6.807,45.879) -6.721,45.965 -6.607,45.851 cw(c-6.693,45.765) -6.607,45.679 ccw(c-6.521,45.593) -6.607,45.507 -6.486,45.386 -6.45,45.35 -6.45,42.431 -6.997,41.884 -6.997,38.774 -6.997,38.593 ccw(c-6.815,38.593) -6.815,38.411 -6.679,38.411 cw(c-6.679,37.967) -6.235,37.967 -6.235,37.876 cw(c-6.679,37.876) -6.679,37.432 -7.577,37.432 ccw(c-7.577,37.249) -7.759,37.249 -7.759,37.158 ccw(c-7.577,37.158) -7.577,36.976 -6.679,36.976 cw(c-6.679,36.532) -6.235,36.532 -6.235,36.441 cw(c-6.679,36.441) -6.679,35.997 -7.577,35.997 ccw(c-7.577,35.814) -7.759,35.814 -7.759,35.723 ccw(c-7.577,35.723) -7.577,35.54 -6.679,35.54 cw(c-6.679,35.097) -6.235,35.097 -6.235,35.005 cw(c-6.679,35.005) -6.679,34.562 -6.815,34.562 ccw(c-6.815,34.379) -6.997,34.379 -6.997,33.379 -6.997,33.232 -6.424,32.659 -6.258,32.659 v1(-6.2,32.6)
  Bottom Copper w0.101: v1(-7.677,46.095) -7.595,46.095 -7.4,45.9 J15.22@-6.7,45.9
MIPI_RX4_D1_P: J1.39 J15.23 | length 30.7
  Top Copper w0.101: v1(-6.55,32.25) -6.495,32.195 -6.306,32.195 -6.139,32.028 -6.139,30.384 -4.456,28.7 -3.325,28.7 -2.482,27.857 -2.482,26.785 -2.568,26.699 J1.39@-2.568,26.439
  PWR w0.101: v1(-8.173,46.095) -8.173,46.088 -7.825,45.74 -7.209,45.74 -6.711,45.242 -6.711,42.539 -7.258,41.992 -7.258,38.774 -7.258,38.593 ccw(c-6.815,38.593) -6.815,38.15 -6.679,38.15 cw(c-6.679,37.967) -6.496,37.967 -6.496,37.876 cw(c-6.679,37.876) -6.679,37.693 -7.577,37.693 ccw(c-7.577,37.249) -8.02,37.249 -8.02,37.158 ccw(c-7.577,37.158) -7.577,36.715 -6.679,36.715 cw(c-6.679,36.532) -6.496,36.532 -6.496,36.441 cw(c-6.679,36.441) -6.679,36.258 -7.577,36.258 ccw(c-7.577,35.814) -8.02,35.814 -8.02,35.723 ccw(c-7.577,35.723) -7.577,35.279 -6.679,35.279 cw(c-6.679,35.097) -6.496,35.097 -6.496,35.005 cw(c-6.679,35.005) -6.679,34.823 -6.815,34.823 ccw(c-6.815,34.379) -7.258,34.379 -7.258,33.379 -7.258,33.124 -6.608,32.474 -6.608,32.308 v1(-6.55,32.25)
  Bottom Copper w0.101: J15.23@-9.15,46.207 -8.285,46.207 v1(-8.173,46.095)
MIPI_RX5_C_N: J1.53 J14.20 | length 26.8
  Top Copper w0.101: J1.53@0.232,26.439 0.232,26.699 0.146,26.785 0.146,27.271 0.825,27.95 3.777,27.95 4.164,28.337 4.353,28.337 v1(4.408,28.392)
  PWR w0.101: v1(4.408,28.392) 4.466,28.451 4.466,28.616 4.534,28.684 6.1,30.25 6.1,34.618 5.634,35.084 5.634,38.355 6.1,38.82 6.1,43.968 6.1,43.979 6.327,44.206 cw(c6.398,44.135) 6.47,44.206 6.654,44.022 ccw(c6.713,44.081) 6.772,44.022 6.851,44.101 ccw(c6.791,44.16) 6.851,44.219 6.667,44.403 cw(c6.738,44.474) 6.667,44.546 6.762,44.641 7.192,44.641 7.376,44.641 7.817,44.2 7.817,43.85 7.7,43.733 v1(7.7,43.65)
  Bottom Copper w0.101: J14.20@6.7,43.5 7.467,43.5 7.617,43.65 v1(7.7,43.65)
MIPI_RX5_C_P: J1.51 J14.19 | length 27
  Top Copper w0.101: J1.51@-0.168,26.439 -0.168,26.699 -0.082,26.785 -0.082,27.365 0.731,28.178 3.682,28.178 4.002,28.498 4.002,28.687 v1(4.058,28.742)
  PWR w0.101: v1(4.058,28.742) 4.116,28.801 4.282,28.801 4.426,28.945 5.839,30.358 5.839,34.51 5.373,34.976 5.373,38.463 5.839,38.928 5.839,44.087 6.654,44.902 7.484,44.902 8.078,44.308 8.078,43.85 8.195,43.733 v1(8.195,43.65)
  Bottom Copper w0.101: v1@8.055,43.65 v1(8.195,43.65) 8.584,43.65 8.673,43.739 9.097,43.739 J14.19@9.15,43.793